# Altium PCB 0020-03_FFT2G.PcbDoc (part 14 of 16) (continued)
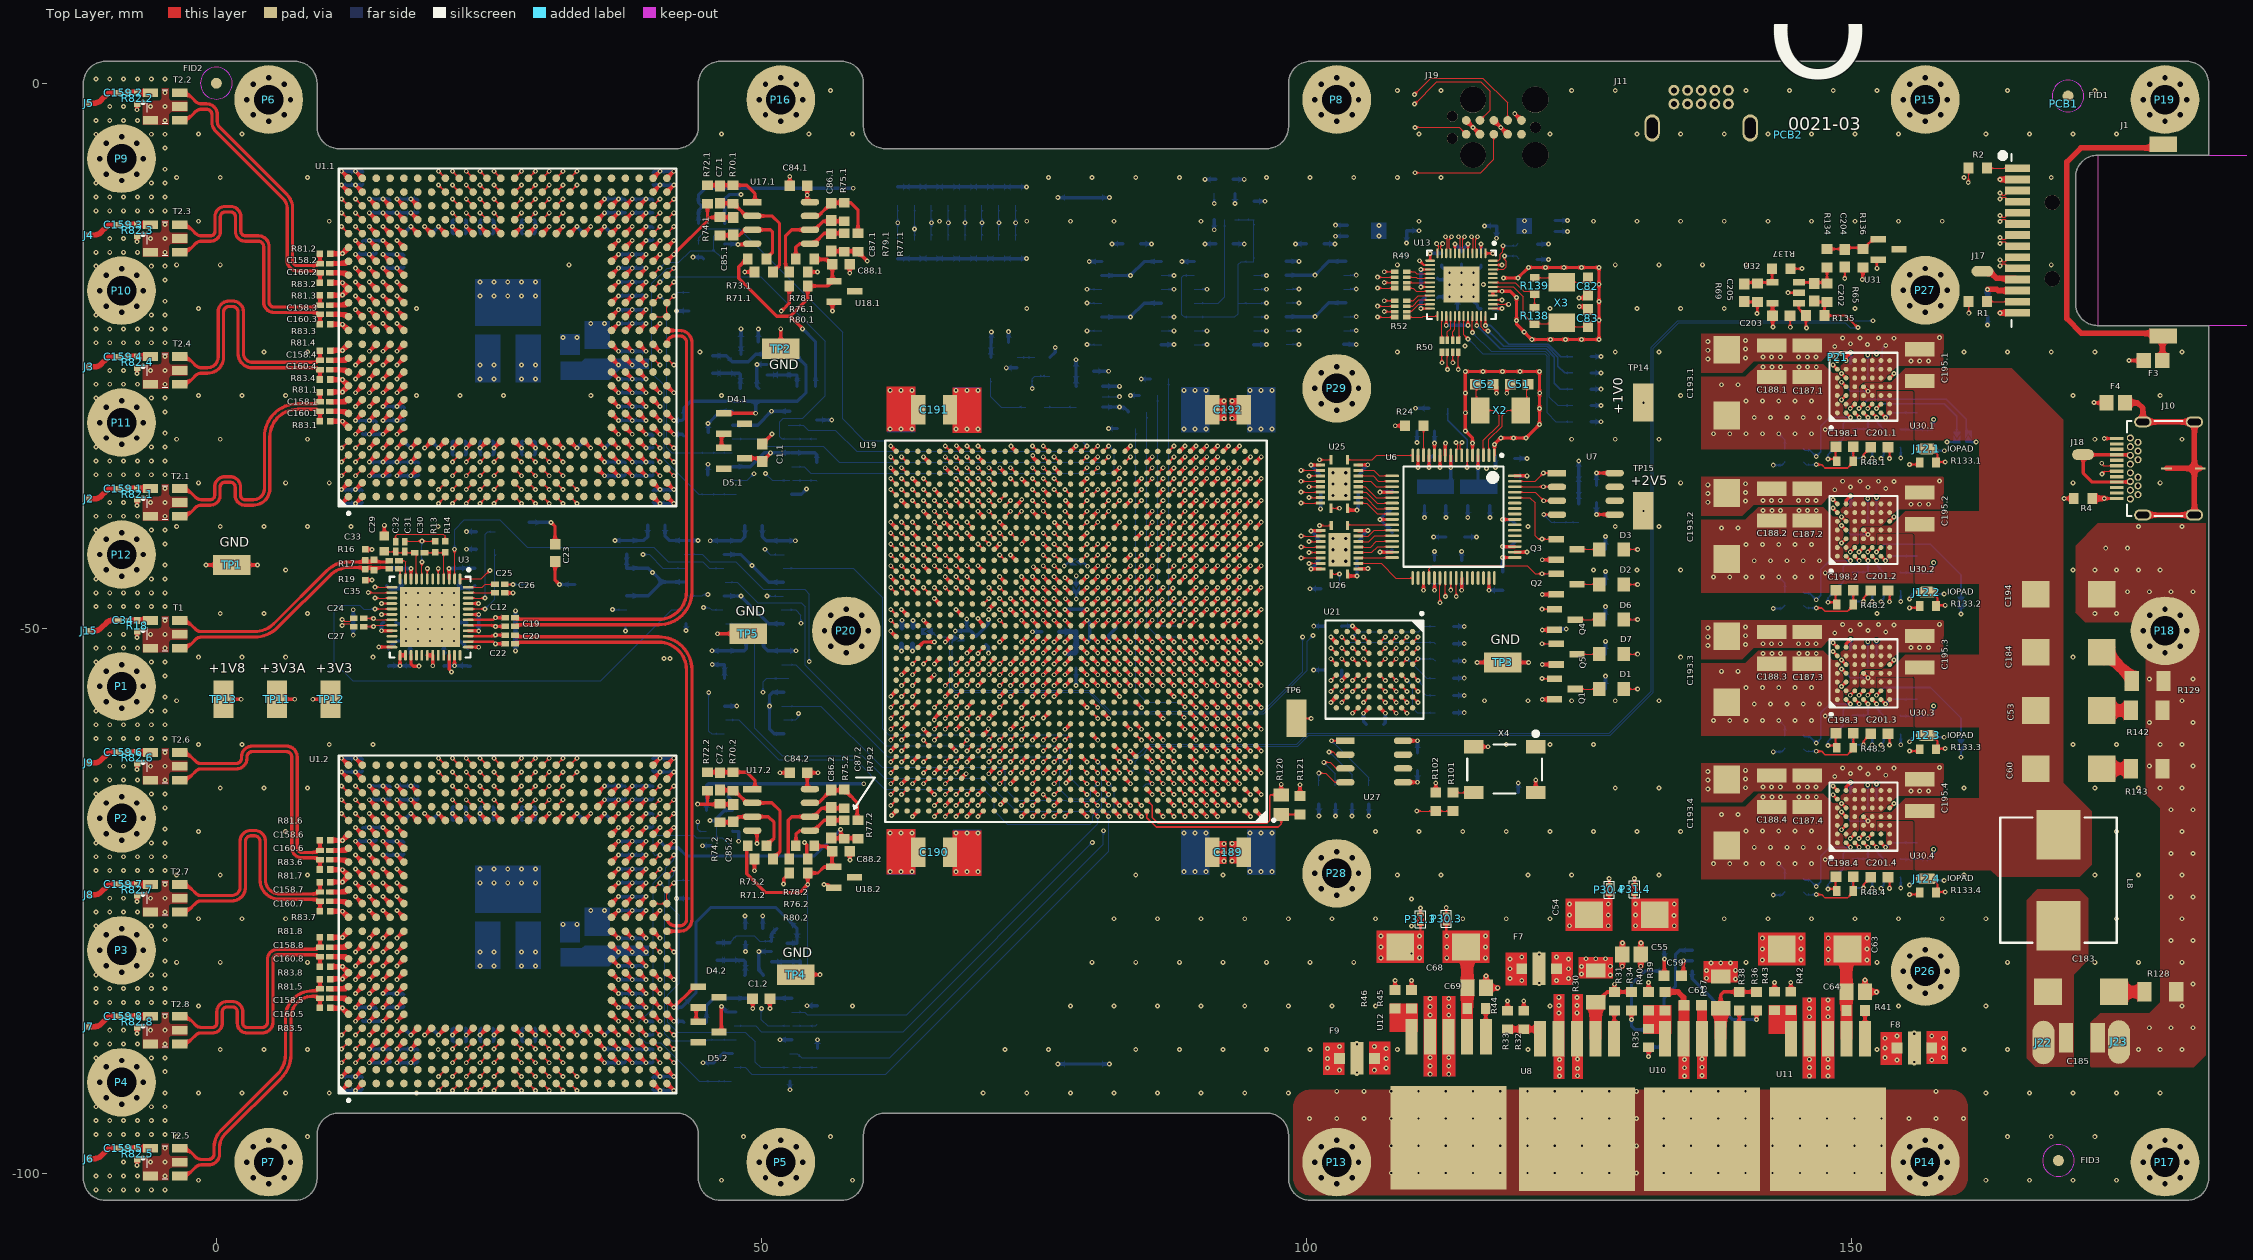
[diagram p0: Top Layer view]
## Nets (pads, with @x,y where several pads share a name; then routed paths per layer and width w, separated by ;. In a path a pad name is that pad's centre, name@x,y a point inside that pad or via, vN(x,y) a via of type N, cw(c..) or ccw(c..) an arc to the next point about the centre after c; other vN are vias at no path point) (continued)
SC.2_N: U1.2.P21 U19.T26 | length 75.6
  Top Layer w0.1: U1.2.P21@28.638,-66.383 v1(29.273,-65.748) ; v1(69.879,-52.319) 69.879,-52.297 70.375,-51.801 U19.T26@70.375,-51.78
  LVDS2 w0.1: v1@29.25,-65.724 v1(29.273,-65.748) ; v1@29.275,-65.75 29.275,-65.425 29.225,-65.375 28.97,-65.375 28.898,-65.446 28.898,-76.823 30.898,-78.823 54.327,-78.823 65.1,-68.05 65.1,-65.242 65.687,-64.655 68.287,-64.655 69.25,-63.692 69.25,-52.974 69.526,-52.699 70.176,-52.699 70.4,-52.475 70.4,-52.4 70.308,-52.308 v1@69.879,-52.308 ; v1@69.877,-52.32 v1(69.879,-52.319)
SC.2_P: U1.2.P22 U19.R26 | length 75.5
  Top Layer w0.1: U1.2.P22@28.638,-65.113 v1(29.273,-64.478) ; v1(69.875,-53.28) U19.R26@70.375,-52.78
  LVDS2 w0.1: v1(29.273,-64.478) 29.273,-64.954 29.215,-65.013 29.049,-65.013 28.698,-65.363 28.698,-76.906 30.815,-79.023 54.41,-79.023 65.3,-68.133 65.3,-65.325 65.77,-64.855 68.37,-64.855 69.45,-63.774 69.45,-53.057 69.608,-52.899 69.818,-52.899 69.877,-52.958 v1(69.875,-53.28) v1(69.875,-53.28)
SC.3_N: U1.2.R23 U19.P32 | length 75
  Top Layer w0.1: U1.2.R23@29.908,-63.843 v1(30.543,-63.208) ; v1(63.875,-54.28) U19.P32@64.375,-53.78
  LVDS2 w0.1: v1(30.543,-63.208) 29.805,-62.47 29.805,-61.153 28.565,-59.914 19.169,-59.914 18.789,-59.533 18.73,-59.475 18.73,-57.023 19.33,-56.423 23.026,-56.423 ccw(c23.026,-56.273) 23.176,-56.273 cw(c23.626,-56.273) 23.626,-55.823 23.926,-55.823 cw(c23.926,-56.273) 24.376,-56.273 24.376,-56.773 ccw(c24.626,-56.773) 24.626,-57.023 24.926,-57.023 ccw(c24.926,-56.773) 25.176,-56.773 25.176,-56.273 cw(c25.626,-56.273) 25.626,-55.823 25.926,-55.823 cw(c25.926,-56.273) 26.376,-56.273 26.376,-56.773 ccw(c26.626,-56.773) 26.626,-57.023 26.926,-57.023 ccw(c26.926,-56.773) 27.176,-56.773 27.176,-56.273 cw(c27.626,-56.273) 27.626,-55.823 27.926,-55.823 cw(c27.926,-56.273) 28.376,-56.273 28.376,-56.773 ccw(c28.626,-56.773) 28.626,-57.023 28.926,-57.023 ccw(c28.926,-56.773) 29.176,-56.773 29.176,-56.273 cw(c29.626,-56.273) 29.626,-55.823 29.926,-55.823 cw(c29.926,-56.273) 30.376,-56.273 30.376,-56.773 ccw(c30.626,-56.773) 30.626,-57.023 30.926,-57.023 ccw(c30.926,-56.773) 31.176,-56.773 31.176,-56.273 cw(c31.626,-56.273) 31.626,-55.823 31.926,-55.823 cw(c31.926,-56.273) 32.376,-56.273 32.376,-56.773 ccw(c32.626,-56.773) 32.626,-57.023 32.926,-57.023 ccw(c32.926,-56.773) 33.176,-56.773 33.176,-56.273 cw(c33.626,-56.273) 33.626,-55.823 33.926,-55.823 cw(c33.926,-56.273) 34.376,-56.273 34.376,-56.773 ccw(c34.626,-56.773) 34.626,-57.023 34.926,-57.023 ccw(c34.926,-56.773) 35.176,-56.773 cw(c35.526,-56.773) 35.526,-56.423 48.798,-56.423 60.806,-56.423 62.549,-54.68 63.475,-54.68 v1(63.875,-54.28)
SC.3_P: U1.2.R24 U19.N32 | length 74.9
  Top Layer w0.1: U1.2.R24@29.908,-62.573 v1(30.543,-61.938) ; v1(63.875,-55.28) U19.N32@64.375,-54.78
  LVDS2 w0.1: v1(30.543,-61.938) 30.543,-62.473 30.47,-62.546 30.167,-62.546 30.005,-62.384 30.005,-61.071 28.648,-59.714 19.252,-59.714 18.93,-59.392 18.93,-57.106 19.413,-56.623 23.026,-56.623 ccw(c23.026,-56.273) 23.376,-56.273 cw(c23.626,-56.273) 23.626,-56.023 23.926,-56.023 cw(c23.926,-56.273) 24.176,-56.273 24.176,-56.773 ccw(c24.626,-56.773) 24.626,-57.223 24.926,-57.223 ccw(c24.926,-56.773) 25.376,-56.773 25.376,-56.273 cw(c25.626,-56.273) 25.626,-56.023 25.926,-56.023 cw(c25.926,-56.273) 26.176,-56.273 26.176,-56.773 ccw(c26.626,-56.773) 26.626,-57.223 26.926,-57.223 ccw(c26.926,-56.773) 27.376,-56.773 27.376,-56.273 cw(c27.626,-56.273) 27.626,-56.023 27.926,-56.023 cw(c27.926,-56.273) 28.176,-56.273 28.176,-56.773 ccw(c28.626,-56.773) 28.626,-57.223 28.926,-57.223 ccw(c28.926,-56.773) 29.376,-56.773 29.376,-56.273 cw(c29.626,-56.273) 29.626,-56.023 29.926,-56.023 cw(c29.926,-56.273) 30.176,-56.273 30.176,-56.773 ccw(c30.626,-56.773) 30.626,-57.223 30.926,-57.223 ccw(c30.926,-56.773) 31.376,-56.773 31.376,-56.273 cw(c31.626,-56.273) 31.626,-56.023 31.926,-56.023 cw(c31.926,-56.273) 32.176,-56.273 32.176,-56.773 ccw(c32.626,-56.773) 32.626,-57.223 32.926,-57.223 ccw(c32.926,-56.773) 33.376,-56.773 33.376,-56.273 cw(c33.626,-56.273) 33.626,-56.023 33.926,-56.023 cw(c33.926,-56.273) 34.176,-56.273 34.176,-56.773 ccw(c34.626,-56.773) 34.626,-57.223 34.926,-57.223 ccw(c34.926,-56.773) 35.376,-56.773 cw(c35.526,-56.773) 35.526,-56.623 48.798,-56.623 60.889,-56.623 62.632,-54.88 63.475,-54.88 63.776,-54.88 63.86,-54.964 63.86,-55.265 v1(63.875,-55.28)
SC.4_N: U1.2.R21 U19.P27 | length 75
  Top Layer w0.1: U1.2.R21@29.908,-66.383 v1(30.543,-65.748) ; v1(68.875,-54.28) U19.P27@69.375,-53.78
  LVDS2 w0.1: v1(30.543,-65.748) 30.543,-65.309 30.446,-65.213 30.192,-65.213 30.005,-65.4 30.005,-76.735 30.954,-77.684 41.595,-77.684 cw(c41.595,-78.134) 42.045,-78.134 ccw(c42.295,-78.134) 42.295,-78.384 42.595,-78.384 ccw(c42.595,-78.134) 42.845,-78.134 42.845,-77.434 cw(c43.295,-77.434) 43.295,-76.984 43.595,-76.984 cw(c43.595,-77.434) 44.045,-77.434 44.045,-78.134 ccw(c44.295,-78.134) 44.295,-78.384 44.595,-78.384 ccw(c44.595,-78.134) 44.845,-78.134 44.845,-77.434 cw(c45.295,-77.434) 45.295,-76.984 45.595,-76.984 cw(c45.595,-77.434) 46.045,-77.434 46.045,-78.134 ccw(c46.295,-78.134) 46.295,-78.384 46.595,-78.384 ccw(c46.595,-78.134) 46.845,-78.134 46.845,-77.434 cw(c47.295,-77.434) 47.295,-76.984 47.595,-76.984 cw(c47.595,-77.434) 48.045,-77.434 48.045,-78.134 ccw(c48.295,-78.134) 48.295,-78.384 48.595,-78.384 ccw(c48.595,-78.134) 48.845,-78.134 cw(c49.295,-78.134) 49.295,-77.684 52.9,-77.684 60.344,-70.24 60.344,-69.397 64.298,-65.443 64.298,-63.044 64.637,-62.705 65.049,-62.705 68.273,-59.481 68.273,-55.337 68.475,-55.135 68.875,-54.735 v1(68.875,-54.28)
SC.4_P: U1.2.R22 U19.N27 | length 75
  Top Layer w0.1: U1.2.R22@29.908,-65.113 v1(30.543,-64.478) ; v1(68.875,-55.28) U19.N27@69.375,-54.78
  LVDS2 w0.1: v1(30.543,-64.478) 30.543,-64.916 30.446,-65.013 30.11,-65.013 29.805,-65.317 29.805,-76.818 30.872,-77.884 41.595,-77.884 cw(c41.595,-78.134) 41.845,-78.134 ccw(c42.295,-78.134) 42.295,-78.584 42.595,-78.584 ccw(c42.595,-78.134) 43.045,-78.134 43.045,-77.434 cw(c43.295,-77.434) 43.295,-77.184 43.595,-77.184 cw(c43.595,-77.434) 43.845,-77.434 43.845,-78.134 ccw(c44.295,-78.134) 44.295,-78.584 44.595,-78.584 ccw(c44.595,-78.134) 45.045,-78.134 45.045,-77.434 cw(c45.295,-77.434) 45.295,-77.184 45.595,-77.184 cw(c45.595,-77.434) 45.845,-77.434 45.845,-78.134 ccw(c46.295,-78.134) 46.295,-78.584 46.595,-78.584 ccw(c46.595,-78.134) 47.045,-78.134 47.045,-77.434 cw(c47.295,-77.434) 47.295,-77.184 47.595,-77.184 cw(c47.595,-77.434) 47.845,-77.434 47.845,-78.134 ccw(c48.295,-78.134) 48.295,-78.584 48.595,-78.584 ccw(c48.595,-78.134) 49.045,-78.134 cw(c49.295,-78.134) 49.295,-77.884 52.983,-77.884 60.544,-70.323 60.544,-69.48 64.498,-65.526 64.498,-63.127 64.72,-62.905 65.132,-62.905 68.473,-59.564 68.473,-55.426 68.62,-55.28 v1(68.875,-55.28)
SC.5_N: U1.2.T23 U19.L34 | length 75.5
  Top Layer w0.1: U1.2.T23@31.178,-63.843 v1(31.813,-63.208) ; v1(61.875,-57.28) U19.L34@62.375,-56.78
  LVDS2 w0.1: v1(31.813,-63.208) 31.11,-62.504 31.11,-60.231 31.641,-59.7 32.095,-59.7 ccw(c32.095,-59.45) 32.345,-59.45 32.345,-59.153 cw(c32.795,-59.153) 32.795,-58.703 33.095,-58.703 cw(c33.095,-59.153) 33.545,-59.153 33.545,-60.446 ccw(c33.795,-60.446) 33.795,-60.696 34.095,-60.696 ccw(c34.095,-60.446) 34.345,-60.446 34.345,-59.153 cw(c34.795,-59.153) 34.795,-58.703 35.095,-58.703 cw(c35.095,-59.153) 35.545,-59.153 35.545,-60.446 ccw(c35.795,-60.446) 35.795,-60.696 36.095,-60.696 ccw(c36.095,-60.446) 36.345,-60.446 36.345,-59.153 cw(c36.795,-59.153) 36.795,-58.703 37.095,-58.703 cw(c37.095,-59.153) 37.545,-59.153 37.545,-60.446 ccw(c37.795,-60.446) 37.795,-60.696 38.095,-60.696 ccw(c38.095,-60.446) 38.345,-60.446 38.345,-59.153 cw(c38.795,-59.153) 38.795,-58.703 39.095,-58.703 cw(c39.095,-59.153) 39.545,-59.153 39.545,-60.446 ccw(c39.795,-60.446) 39.795,-60.696 40.095,-60.696 ccw(c40.095,-60.446) 40.345,-60.446 40.345,-59.153 cw(c40.795,-59.153) 40.795,-58.703 41.095,-58.703 cw(c41.095,-59.153) 41.545,-59.153 41.545,-60.446 ccw(c41.795,-60.446) 41.795,-60.696 42.095,-60.696 ccw(c42.095,-60.446) 42.345,-60.446 42.345,-59.153 cw(c42.795,-59.153) 42.795,-58.703 43.095,-58.703 cw(c43.095,-59.153) 43.545,-59.153 43.545,-60.446 ccw(c43.795,-60.446) 43.795,-60.696 44.095,-60.696 ccw(c44.095,-60.446) 44.345,-60.446 44.345,-59.153 cw(c44.795,-59.153) 44.795,-58.703 45.095,-58.703 cw(c45.095,-59.153) 45.545,-59.153 45.545,-60.446 ccw(c45.795,-60.446) 45.795,-60.696 46.095,-60.696 ccw(c46.095,-60.446) 46.345,-60.446 46.345,-59.153 cw(c46.795,-59.153) 46.795,-58.703 47.095,-58.703 cw(c47.095,-59.153) 47.545,-59.153 47.545,-60.446 ccw(c47.795,-60.446) 47.795,-60.696 48.095,-60.696 ccw(c48.095,-60.446) 48.345,-60.446 48.345,-59.153 cw(c48.795,-59.153) 48.795,-58.703 49.095,-58.703 cw(c49.095,-59.153) 49.545,-59.153 49.545,-60.446 ccw(c49.795,-60.446) 49.795,-60.696 50.095,-60.696 ccw(c50.095,-60.446) 50.345,-60.446 50.345,-59.153 cw(c50.795,-59.153) 50.795,-58.703 51.095,-58.703 cw(c51.095,-59.153) 51.545,-59.153 51.545,-60.446 ccw(c51.795,-60.446) 51.795,-60.696 52.095,-60.696 ccw(c52.095,-60.446) 52.345,-60.446 52.345,-59.153 cw(c52.795,-59.153) 52.795,-58.703 53.095,-58.703 cw(c53.095,-59.153) 53.545,-59.153 53.545,-60.446 ccw(c53.795,-60.446) 53.795,-60.696 54.095,-60.696 ccw(c54.095,-60.446) 54.345,-60.446 54.345,-59.153 cw(c54.795,-59.153) 54.795,-58.703 55.095,-58.703 cw(c55.095,-59.153) 55.545,-59.153 55.545,-59.45 ccw(c55.795,-59.45) 55.795,-59.7 58.845,-59.7 60.865,-57.68 61.475,-57.68 v1(61.875,-57.28)
SC.5_P: U1.2.T24 U19.K34 | length 75.5
  Top Layer w0.1: U1.2.T24@31.178,-62.573 v1(31.813,-61.938) ; v1(61.875,-58.28) U19.K34@62.375,-57.78
  LVDS2 w0.1: v1(31.813,-61.938) 31.813,-62.547 31.729,-62.631 31.52,-62.631 31.31,-62.422 31.31,-60.314 31.724,-59.9 32.095,-59.9 ccw(c32.095,-59.45) 32.545,-59.45 32.545,-59.153 cw(c32.795,-59.153) 32.795,-58.903 33.095,-58.903 cw(c33.095,-59.153) 33.345,-59.153 33.345,-60.446 ccw(c33.795,-60.446) 33.795,-60.896 34.095,-60.896 ccw(c34.095,-60.446) 34.545,-60.446 34.545,-59.153 cw(c34.795,-59.153) 34.795,-58.903 35.095,-58.903 cw(c35.095,-59.153) 35.345,-59.153 35.345,-60.446 ccw(c35.795,-60.446) 35.795,-60.896 36.095,-60.896 ccw(c36.095,-60.446) 36.545,-60.446 36.545,-59.153 cw(c36.795,-59.153) 36.795,-58.903 37.095,-58.903 cw(c37.095,-59.153) 37.345,-59.153 37.345,-60.446 ccw(c37.795,-60.446) 37.795,-60.896 38.095,-60.896 ccw(c38.095,-60.446) 38.545,-60.446 38.545,-59.153 cw(c38.795,-59.153) 38.795,-58.903 39.095,-58.903 cw(c39.095,-59.153) 39.345,-59.153 39.345,-60.446 ccw(c39.795,-60.446) 39.795,-60.896 40.095,-60.896 ccw(c40.095,-60.446) 40.545,-60.446 40.545,-59.153 cw(c40.795,-59.153) 40.795,-58.903 41.095,-58.903 cw(c41.095,-59.153) 41.345,-59.153 41.345,-60.446 ccw(c41.795,-60.446) 41.795,-60.896 42.095,-60.896 ccw(c42.095,-60.446) 42.545,-60.446 42.545,-59.153 cw(c42.795,-59.153) 42.795,-58.903 43.095,-58.903 cw(c43.095,-59.153) 43.345,-59.153 43.345,-60.446 ccw(c43.795,-60.446) 43.795,-60.896 44.095,-60.896 ccw(c44.095,-60.446) 44.545,-60.446 44.545,-59.153 cw(c44.795,-59.153) 44.795,-58.903 45.095,-58.903 cw(c45.095,-59.153) 45.345,-59.153 45.345,-60.446 ccw(c45.795,-60.446) 45.795,-60.896 46.095,-60.896 ccw(c46.095,-60.446) 46.545,-60.446 46.545,-59.153 cw(c46.795,-59.153) 46.795,-58.903 47.095,-58.903 cw(c47.095,-59.153) 47.345,-59.153 47.345,-60.446 ccw(c47.795,-60.446) 47.795,-60.896 48.095,-60.896 ccw(c48.095,-60.446) 48.545,-60.446 48.545,-59.153 cw(c48.795,-59.153) 48.795,-58.903 49.095,-58.903 cw(c49.095,-59.153) 49.345,-59.153 49.345,-60.446 ccw(c49.795,-60.446) 49.795,-60.896 50.095,-60.896 ccw(c50.095,-60.446) 50.545,-60.446 50.545,-59.153 cw(c50.795,-59.153) 50.795,-58.903 51.095,-58.903 cw(c51.095,-59.153) 51.345,-59.153 51.345,-60.446 ccw(c51.795,-60.446) 51.795,-60.896 52.095,-60.896 ccw(c52.095,-60.446) 52.545,-60.446 52.545,-59.153 cw(c52.795,-59.153) 52.795,-58.903 53.095,-58.903 cw(c53.095,-59.153) 53.345,-59.153 53.345,-60.446 ccw(c53.795,-60.446) 53.795,-60.896 54.095,-60.896 ccw(c54.095,-60.446) 54.545,-60.446 54.545,-59.153 cw(c54.795,-59.153) 54.795,-58.903 55.095,-58.903 cw(c55.095,-59.153) 55.345,-59.153 55.345,-59.45 ccw(c55.795,-59.45) 55.795,-59.9 58.928,-59.9 60.948,-57.88 61.817,-57.88 61.875,-57.938 v1(61.875,-58.28)
SC.6_N: U1.2.T21 U19.M28 | length 75.5
  Top Layer w0.1: U1.2.T21@31.178,-66.383 v1(31.813,-65.748) ; v1(67.875,-56.28) U19.M28@68.375,-55.78
  LVDS2 w0.1: v1(31.813,-65.748) 31.813,-65.213 31.762,-65.162 31.52,-65.162 31.266,-65.416 31.266,-74.084 32.405,-75.223 41.671,-75.223 cw(c41.671,-75.673) 42.121,-75.673 42.121,-75.973 ccw(c42.371,-75.973) 42.371,-76.223 42.671,-76.223 ccw(c42.671,-75.973) 42.921,-75.973 42.921,-74.673 cw(c43.371,-74.673) 43.371,-74.223 43.671,-74.223 cw(c43.671,-74.673) 44.121,-74.673 44.121,-75.973 ccw(c44.371,-75.973) 44.371,-76.223 44.671,-76.223 ccw(c44.671,-75.973) 44.921,-75.973 44.921,-74.673 cw(c45.371,-74.673) 45.371,-74.223 45.671,-74.223 cw(c45.671,-74.673) 46.121,-74.673 46.121,-75.973 ccw(c46.371,-75.973) 46.371,-76.223 46.671,-76.223 ccw(c46.671,-75.973) 46.921,-75.973 46.921,-74.673 cw(c47.371,-74.673) 47.371,-74.223 47.671,-74.223 cw(c47.671,-74.673) 48.121,-74.673 48.121,-75.589 ccw(c48.371,-75.589) 48.371,-75.839 48.671,-75.839 ccw(c48.671,-75.589) 48.921,-75.589 48.921,-74.673 cw(c49.371,-74.673) 49.371,-74.223 49.671,-74.223 cw(c49.671,-74.673) 50.121,-74.673 50.121,-75.636 ccw(c50.371,-75.636) 50.371,-75.886 50.671,-75.886 ccw(c50.671,-75.636) 50.921,-75.636 50.921,-74.673 cw(c51.371,-74.673) 51.371,-74.223 51.671,-74.223 cw(c51.671,-74.673) 52.121,-74.673 52.121,-74.973 ccw(c52.371,-74.973) 52.371,-75.223 53.197,-75.223 61.223,-67.197 61.223,-64.118 61.678,-63.664 62.64,-63.664 63.615,-62.689 64.054,-62.689 64.273,-62.469 64.273,-62.031 64.599,-61.705 65.103,-61.705 66.298,-60.509 66.298,-59.99 66.599,-59.689 66.997,-59.689 67.25,-59.435 67.25,-57.289 67.875,-56.664 v1(67.875,-56.28)
SC.6_P: U1.2.T22 U19.L28 | length 75.5
  Top Layer w0.1: U1.2.T22@31.178,-65.113 v1(31.813,-64.478) ; v1(67.875,-57.28) U19.L28@68.375,-56.78
  LVDS2 w0.1: v1(31.813,-64.478) 31.813,-64.844 31.699,-64.959 31.44,-64.959 31.066,-65.333 31.066,-74.167 32.323,-75.423 34.786,-75.423 41.671,-75.423 cw(c41.671,-75.673) 41.921,-75.673 41.921,-75.973 ccw(c42.371,-75.973) 42.371,-76.423 42.671,-76.423 ccw(c42.671,-75.973) 43.121,-75.973 43.121,-74.673 cw(c43.371,-74.673) 43.371,-74.423 43.671,-74.423 cw(c43.671,-74.673) 43.921,-74.673 43.921,-75.973 ccw(c44.371,-75.973) 44.371,-76.423 44.671,-76.423 ccw(c44.671,-75.973) 45.121,-75.973 45.121,-74.673 cw(c45.371,-74.673) 45.371,-74.423 45.671,-74.423 cw(c45.671,-74.673) 45.921,-74.673 45.921,-75.973 ccw(c46.371,-75.973) 46.371,-76.423 46.671,-76.423 ccw(c46.671,-75.973) 47.121,-75.973 47.121,-74.673 cw(c47.371,-74.673) 47.371,-74.423 47.671,-74.423 cw(c47.671,-74.673) 47.921,-74.673 47.921,-75.589 ccw(c48.371,-75.589) 48.371,-76.039 48.671,-76.039 ccw(c48.671,-75.589) 49.121,-75.589 49.121,-74.673 cw(c49.371,-74.673) 49.371,-74.423 49.671,-74.423 cw(c49.671,-74.673) 49.921,-74.673 49.921,-75.636 ccw(c50.371,-75.636) 50.371,-76.086 50.671,-76.086 ccw(c50.671,-75.636) 51.121,-75.636 51.121,-74.673 cw(c51.371,-74.673) 51.371,-74.423 51.671,-74.423 cw(c51.671,-74.673) 51.921,-74.673 51.921,-74.973 ccw(c52.371,-74.973) 52.371,-75.423 53.28,-75.423 61.423,-67.28 61.423,-64.201 61.761,-63.864 62.723,-63.864 63.698,-62.889 64.136,-62.889 64.473,-62.552 64.473,-62.114 64.682,-61.905 65.186,-61.905 66.498,-60.592 66.498,-60.073 66.682,-59.889 67.079,-59.889 67.45,-59.518 67.45,-57.371 67.542,-57.28 v1(67.875,-57.28)
SC.7_N: U1.2.U23 U19.L30 | length 74.8
  Top Layer w0.1: U1.2.U23@32.448,-63.843 v1(33.083,-63.208) ; v1(65.875,-57.28) U19.L30@66.375,-56.78
  LVDS2 w0.1: v1(33.083,-63.208) 33.083,-62.617 33.012,-62.546 32.758,-62.546 32.541,-62.762 32.541,-70.818 33.158,-71.435 43.598,-71.435 cw(c43.598,-72.148) 44.311,-72.148 ccw(c44.868,-72.148) 45.425,-72.148 cw(c46.138,-72.148) 46.138,-71.435 46.914,-71.435 cw(c46.914,-72.148) 47.627,-72.148 ccw(c48.184,-72.148) 48.741,-72.148 cw(c49.454,-72.148) 49.454,-71.435 53.95,-71.435 54.161,-71.224 cw(c54.599,-71.662) 55.037,-71.224 55.38,-71.567 ccw(c55.677,-71.27) 55.973,-71.567 ccw(c55.677,-71.27) 56.096,-71.27 ccw(c55.677,-71.27) 55.973,-70.974 54.553,-69.553 cw(c54.991,-69.115) 55.429,-68.677 56.85,-70.097 ccw(c57.146,-69.801) 57.566,-69.801 ccw(c57.146,-69.801) 57.443,-69.504 56.022,-68.084 cw(c56.46,-67.646) 56.898,-67.207 58.319,-68.628 ccw(c58.616,-68.331) 59.035,-68.331 ccw(c58.616,-68.331) 58.912,-68.035 57.491,-66.614 cw(c57.93,-66.176) 58.368,-65.738 59.788,-67.159 ccw(c60.085,-66.862) 60.504,-66.862 ccw(c60.085,-66.862) 60.382,-66.565 60.039,-66.223 cw(c60.477,-65.784) 60.039,-65.346 60.231,-65.154 60.231,-62.64 61.189,-61.681 63.076,-61.681 64.244,-60.513 64.244,-58.496 64.877,-57.864 66.008,-57.864 66.387,-57.485 66.387,-57.339 66.328,-57.28 v1(65.875,-57.28)
SC.7_P: U1.2.U24 U19.L29 | length 75
  Top Layer w0.1: U1.2.U24@32.448,-62.573 v1(33.083,-61.938) ; v1(66.875,-57.28) U19.L29@67.375,-56.78
  LVDS2 w0.1: v1(33.083,-61.938) 32.675,-62.346 32.341,-62.679 32.341,-70.901 33.075,-71.635 43.598,-71.635 cw(c43.598,-72.148) 44.111,-72.148 ccw(c44.868,-72.148) 45.625,-72.148 cw(c46.138,-72.148) 46.138,-71.635 46.914,-71.635 cw(c46.914,-72.148) 47.427,-72.148 ccw(c48.184,-72.148) 48.941,-72.148 cw(c49.454,-72.148) 49.454,-71.635 54.033,-71.635 54.303,-71.365 cw(c54.599,-71.662) 54.896,-71.365 55.239,-71.708 ccw(c55.677,-71.27) 56.115,-71.708 ccw(c55.677,-71.27) 56.296,-71.27 ccw(c55.677,-71.27) 56.115,-70.832 54.694,-69.412 cw(c54.991,-69.115) 55.288,-68.818 56.708,-70.239 ccw(c57.146,-69.801) 57.584,-70.239 ccw(c57.146,-69.801) 57.766,-69.801 ccw(c57.146,-69.801) 57.584,-69.363 56.164,-67.942 cw(c56.46,-67.646) 56.757,-67.349 58.178,-68.77 ccw(c58.616,-68.331) 59.235,-68.331 ccw(c58.616,-68.331) 59.054,-67.893 57.633,-66.473 cw(c57.93,-66.176) 58.226,-65.88 59.647,-67.3 ccw(c60.085,-66.862) 60.704,-66.862 ccw(c60.085,-66.862) 60.523,-66.424 60.18,-66.081 cw(c60.477,-65.784) 60.18,-65.488 60.431,-65.237 60.431,-62.722 61.272,-61.881 63.158,-61.881 64.444,-60.595 64.444,-58.579 64.959,-58.064 66.091,-58.064 v1(66.875,-57.28)
SC.8_N: U1.2.AC22 U19.M32 | length 75.7
  Top Layer w0.1: U1.2.AC22@40.068,-65.113 v1(40.703,-64.478) ; v1(63.875,-56.28) U19.M32@64.375,-55.78
  LVDS2 w0.1: v1(40.703,-64.478) 41.135,-64.478 41.238,-64.374 41.238,-64.131 41.025,-63.917 34.228,-63.917 33.875,-63.565 33.875,-62.783 34.211,-62.447 42.026,-62.447 43.372,-63.793 43.881,-63.793 ccw(c43.881,-63.543) 44.131,-63.543 44.131,-62.567 cw(c44.581,-62.567) 44.581,-62.117 44.881,-62.117 cw(c44.881,-62.567) 45.331,-62.567 45.331,-65.219 ccw(c45.581,-65.219) 45.581,-65.469 45.881,-65.469 ccw(c45.881,-65.219) 46.131,-65.219 46.131,-62.567 cw(c46.581,-62.567) 46.581,-62.117 46.881,-62.117 cw(c46.881,-62.567) 47.331,-62.567 47.331,-65.219 ccw(c47.581,-65.219) 47.581,-65.469 47.881,-65.469 ccw(c47.881,-65.219) 48.131,-65.219 48.131,-62.567 cw(c48.581,-62.567) 48.581,-62.117 48.881,-62.117 cw(c48.881,-62.567) 49.331,-62.567 49.331,-65.219 ccw(c49.581,-65.219) 49.581,-65.469 49.881,-65.469 ccw(c49.881,-65.219) 50.131,-65.219 50.131,-62.567 cw(c50.581,-62.567) 50.581,-62.117 50.881,-62.117 cw(c50.881,-62.567) 51.331,-62.567 51.331,-65.219 ccw(c51.581,-65.219) 51.581,-65.469 51.881,-65.469 ccw(c51.881,-65.219) 52.131,-65.219 52.131,-62.567 cw(c52.581,-62.567) 52.581,-62.117 52.881,-62.117 cw(c52.881,-62.567) 53.331,-62.567 53.331,-65.219 ccw(c53.581,-65.219) 53.581,-65.469 53.881,-65.469 ccw(c53.881,-65.219) 54.131,-65.219 54.131,-64.243 cw(c54.581,-64.243) 54.581,-63.793 56.41,-63.793 57.6,-62.603 57.756,-62.447 61.549,-58.655 62.031,-58.655 62.3,-58.385 62.3,-56.929 62.565,-56.664 63.491,-56.664 v1(63.875,-56.28)
SC.8_P: U1.2.AD22 U19.L33 | length 75.5
  Top Layer w0.1: U1.2.AD22@41.338,-65.113 v1(41.973,-64.478) ; v1(62.875,-57.28) U19.L33@63.375,-56.78
  LVDS2 w0.1: v1(41.973,-64.478) 41.541,-64.478 41.438,-64.374 41.438,-64.048 41.108,-63.717 34.31,-63.717 34.075,-63.482 34.075,-62.865 34.294,-62.647 41.943,-62.647 43.289,-63.993 43.881,-63.993 ccw(c43.881,-63.543) 44.331,-63.543 44.331,-62.567 cw(c44.581,-62.567) 44.581,-62.317 44.881,-62.317 cw(c44.881,-62.567) 45.131,-62.567 45.131,-65.219 ccw(c45.581,-65.219) 45.581,-65.669 45.881,-65.669 ccw(c45.881,-65.219) 46.331,-65.219 46.331,-62.567 cw(c46.581,-62.567) 46.581,-62.317 46.881,-62.317 cw(c46.881,-62.567) 47.131,-62.567 47.131,-65.219 ccw(c47.581,-65.219) 47.581,-65.669 47.881,-65.669 ccw(c47.881,-65.219) 48.331,-65.219 48.331,-62.567 cw(c48.581,-62.567) 48.581,-62.317 48.881,-62.317 cw(c48.881,-62.567) 49.131,-62.567 49.131,-65.219 ccw(c49.581,-65.219) 49.581,-65.669 49.881,-65.669 ccw(c49.881,-65.219) 50.331,-65.219 50.331,-62.567 cw(c50.581,-62.567) 50.581,-62.317 50.881,-62.317 cw(c50.881,-62.567) 51.131,-62.567 51.131,-65.219 ccw(c51.581,-65.219) 51.581,-65.669 51.881,-65.669 ccw(c51.881,-65.219) 52.331,-65.219 52.331,-62.567 cw(c52.581,-62.567) 52.581,-62.317 52.881,-62.317 cw(c52.881,-62.567) 53.131,-62.567 53.131,-65.219 ccw(c53.581,-65.219) 53.581,-65.669 53.881,-65.669 ccw(c53.881,-65.219) 54.331,-65.219 54.331,-64.243 cw(c54.581,-64.243) 54.581,-63.993 56.493,-63.993 57.683,-62.803 57.839,-62.647 61.632,-58.855 62.113,-58.855 62.5,-58.468 62.5,-57.012 62.648,-56.864 63.296,-56.864 63.397,-56.965 63.397,-57.115 63.232,-57.28 v1(62.875,-57.28)
SC.9_N: U1.2.AC21 U19.R27 | length 75.5
  Top Layer w0.1: U1.2.AC21@40.068,-66.383 v1(40.703,-65.748) ; v1(68.875,-53.28) U19.R27@69.375,-52.78
  LVDS2 w0.1: v1(40.703,-65.748) 41.113,-65.748 41.238,-65.873 41.238,-66.086 41.019,-66.305 33.991,-66.305 33.599,-66.697 33.599,-69.817 34.097,-70.315 42.289,-70.315 42.661,-69.944 42.661,-69.204 42.867,-68.997 46.05,-68.997 cw(c46.05,-69.247) 46.3,-69.247 46.3,-70.434 ccw(c46.75,-70.434) 46.75,-70.884 47.05,-70.884 ccw(c47.05,-70.434) 47.5,-70.434 47.5,-67.361 cw(c47.75,-67.361) 47.75,-67.111 48.05,-67.111 cw(c48.05,-67.361) 48.3,-67.361 48.3,-68.934 ccw(c48.75,-68.934) 48.75,-69.384 49.05,-69.384 ccw(c49.05,-68.934) 49.5,-68.934 49.5,-67.361 cw(c49.75,-67.361) 49.75,-67.111 50.05,-67.111 cw(c50.05,-67.361) 50.3,-67.361 50.3,-70.434 ccw(c50.75,-70.434) 50.75,-70.884 51.05,-70.884 ccw(c51.05,-70.434) 51.5,-70.434 51.5,-67.361 cw(c51.75,-67.361) 51.75,-67.111 52.05,-67.111 cw(c52.05,-67.361) 52.3,-67.361 52.3,-68.547 ccw(c52.75,-68.547) 52.75,-68.997 53.143,-68.997 61.279,-60.862 63.106,-60.862 63.45,-60.518 63.45,-58.617 66.251,-55.817 66.251,-55.009 67.371,-53.889 68.266,-53.889 v1(68.875,-53.28)
SC.9_P: U1.2.AD21 U19.R28 | length 75.6
  Top Layer w0.1: U1.2.AD21@41.338,-66.383 v1(41.973,-65.748) ; v1(67.875,-53.28) U19.R28@68.375,-52.78
  LVDS2 w0.1: v1(41.973,-65.748) 41.564,-65.748 41.438,-65.873 41.438,-66.169 41.102,-66.505 34.074,-66.505 33.799,-66.78 33.799,-69.734 34.18,-70.115 42.207,-70.115 42.461,-69.861 42.461,-69.121 42.784,-68.797 46.05,-68.797 cw(c46.05,-69.247) 46.5,-69.247 46.5,-70.434 ccw(c46.75,-70.434) 46.75,-70.684 47.05,-70.684 ccw(c47.05,-70.434) 47.3,-70.434 47.3,-67.361 cw(c47.75,-67.361) 47.75,-66.911 48.05,-66.911 cw(c48.05,-67.361) 48.5,-67.361 48.5,-68.934 ccw(c48.75,-68.934) 48.75,-69.184 49.05,-69.184 ccw(c49.05,-68.934) 49.3,-68.934 49.3,-67.361 cw(c49.75,-67.361) 49.75,-66.911 50.05,-66.911 cw(c50.05,-67.361) 50.5,-67.361 50.5,-70.434 ccw(c50.75,-70.434) 50.75,-70.684 51.05,-70.684 ccw(c51.05,-70.434) 51.3,-70.434 51.3,-67.361 cw(c51.75,-67.361) 51.75,-66.911 52.05,-66.911 cw(c52.05,-67.361) 52.5,-67.361 52.5,-68.547 ccw(c52.75,-68.547) 52.75,-68.797 53.061,-68.797 54.823,-67.034 61.196,-60.662 62.999,-60.662 63.007,-60.655 63.031,-60.655 63.25,-60.435 63.25,-58.535 66.051,-55.734 66.051,-54.926 67.288,-53.689 68.183,-53.689 68.469,-53.403 68.469,-53.223 68.332,-53.085 68.069,-53.085 v1(67.875,-53.28)
SC.DR_N: U1.2.N23 U19.M33 | length 75.6
  Top Layer w0.1: U1.2.N23@27.368,-63.843 v1(28.003,-63.208) ; v1(62.875,-56.28) U19.M33@63.375,-55.78
  LVDS2 w0.1: v1(28.003,-63.208) 28.003,-62.731 27.945,-62.673 19.39,-62.673 17.075,-60.358 17.075,-54.188 18.388,-52.874 31.157,-52.874 31.448,-53.165 41.769,-53.165 42.16,-52.774 46.806,-52.774 48.158,-54.125 60.467,-54.125 61.887,-52.705 65.113,-52.705 65.45,-53.042 65.45,-54.518 64.088,-55.88 62.934,-55.88 62.875,-55.938 v1(62.875,-56.28)
SC.DR_P: U1.2.N24 U19.N33 | length 75.7
  Top Layer w0.1: U1.2.N24@27.368,-62.573 v1(28.003,-61.938) ; v1(62.875,-55.28) U19.N33@63.375,-54.78
  LVDS2 w0.1: v1@28.003,-62.003 v1(28.003,-61.938) 28.655,-62.59 28.655,-62.694 28.575,-62.775 28.344,-62.775 28.042,-62.473 19.473,-62.473 17.275,-60.275 17.275,-54.271 18.471,-53.074 31.074,-53.074 31.365,-53.365 41.851,-53.365 42.243,-52.974 46.724,-52.974 48.075,-54.325 60.55,-54.325 61.97,-52.905 65.031,-52.905 65.25,-53.124 65.25,-54.435 64.006,-55.68 62.934,-55.68 62.875,-55.621 v1(62.875,-55.28)
SC.OR_N: U1.2.AC20 U19.N29 | length 75.2
  Top Layer w0.1: U1.2.AC20@40.068,-67.653 v1(40.703,-67.018) ; v1(66.875,-55.28) U19.N29@67.375,-54.78
  LVDS3 w0.1: v1(40.703,-67.018) 41.18,-67.018 41.238,-66.959 41.238,-65.39 41.565,-65.063 42.331,-65.063 ccw(c42.331,-64.813) 42.581,-64.813 42.581,-63.601 cw(c43.031,-63.601) 43.031,-63.151 43.331,-63.151 cw(c43.331,-63.601) 43.781,-63.601 43.781,-66.726 ccw(c44.031,-66.726) 44.031,-66.976 44.331,-66.976 ccw(c44.331,-66.726) 44.581,-66.726 44.581,-63.601 cw(c45.031,-63.601) 45.031,-63.151 45.331,-63.151 cw(c45.331,-63.601) 45.781,-63.601 45.781,-66.726 ccw(c46.031,-66.726) 46.031,-66.976 46.331,-66.976 ccw(c46.331,-66.726) 46.581,-66.726 46.581,-63.601 cw(c47.031,-63.601) 47.031,-63.151 47.331,-63.151 cw(c47.331,-63.601) 47.781,-63.601 47.781,-66.726 ccw(c48.031,-66.726) 48.031,-66.976 48.331,-66.976 ccw(c48.331,-66.726) 48.581,-66.726 48.581,-63.601 cw(c49.031,-63.601) 49.031,-63.151 49.331,-63.151 cw(c49.331,-63.601) 49.781,-63.601 49.781,-66.726 ccw(c50.031,-66.726) 50.031,-66.976 50.331,-66.976 ccw(c50.331,-66.726) 50.581,-66.726 50.581,-64.086 cw(c51.031,-64.086) 51.031,-63.636 51.331,-63.636 cw(c51.331,-64.086) 51.781,-64.086 51.781,-66.726 ccw(c52.031,-66.726) 52.031,-66.976 52.331,-66.976 ccw(c52.331,-66.726) 52.581,-66.726 52.581,-63.601 cw(c53.031,-63.601) 53.031,-63.151 53.331,-63.151 cw(c53.331,-63.601) 53.781,-63.601 53.781,-64.813 ccw(c54.031,-64.813) 54.031,-65.063 55.156,-65.063 58.551,-61.668 66.596,-61.668 67.275,-60.989 67.275,-55.338 67.217,-55.28 v1(66.875,-55.28)